# Altium PCB STM32F407.PcbDoc (part 1 of 2)
Units mil, origin at the board's own origin, x right, y up, seen from the top; angles counter-clockwise.
Board outline 2250.81 x 1738.31 mil, 4 copper layers (Top Layer, GND, POWER, Bottom Layer), stack 24.98 mil thick; 49 components, 104 nets, 323 pads, 74 vias.
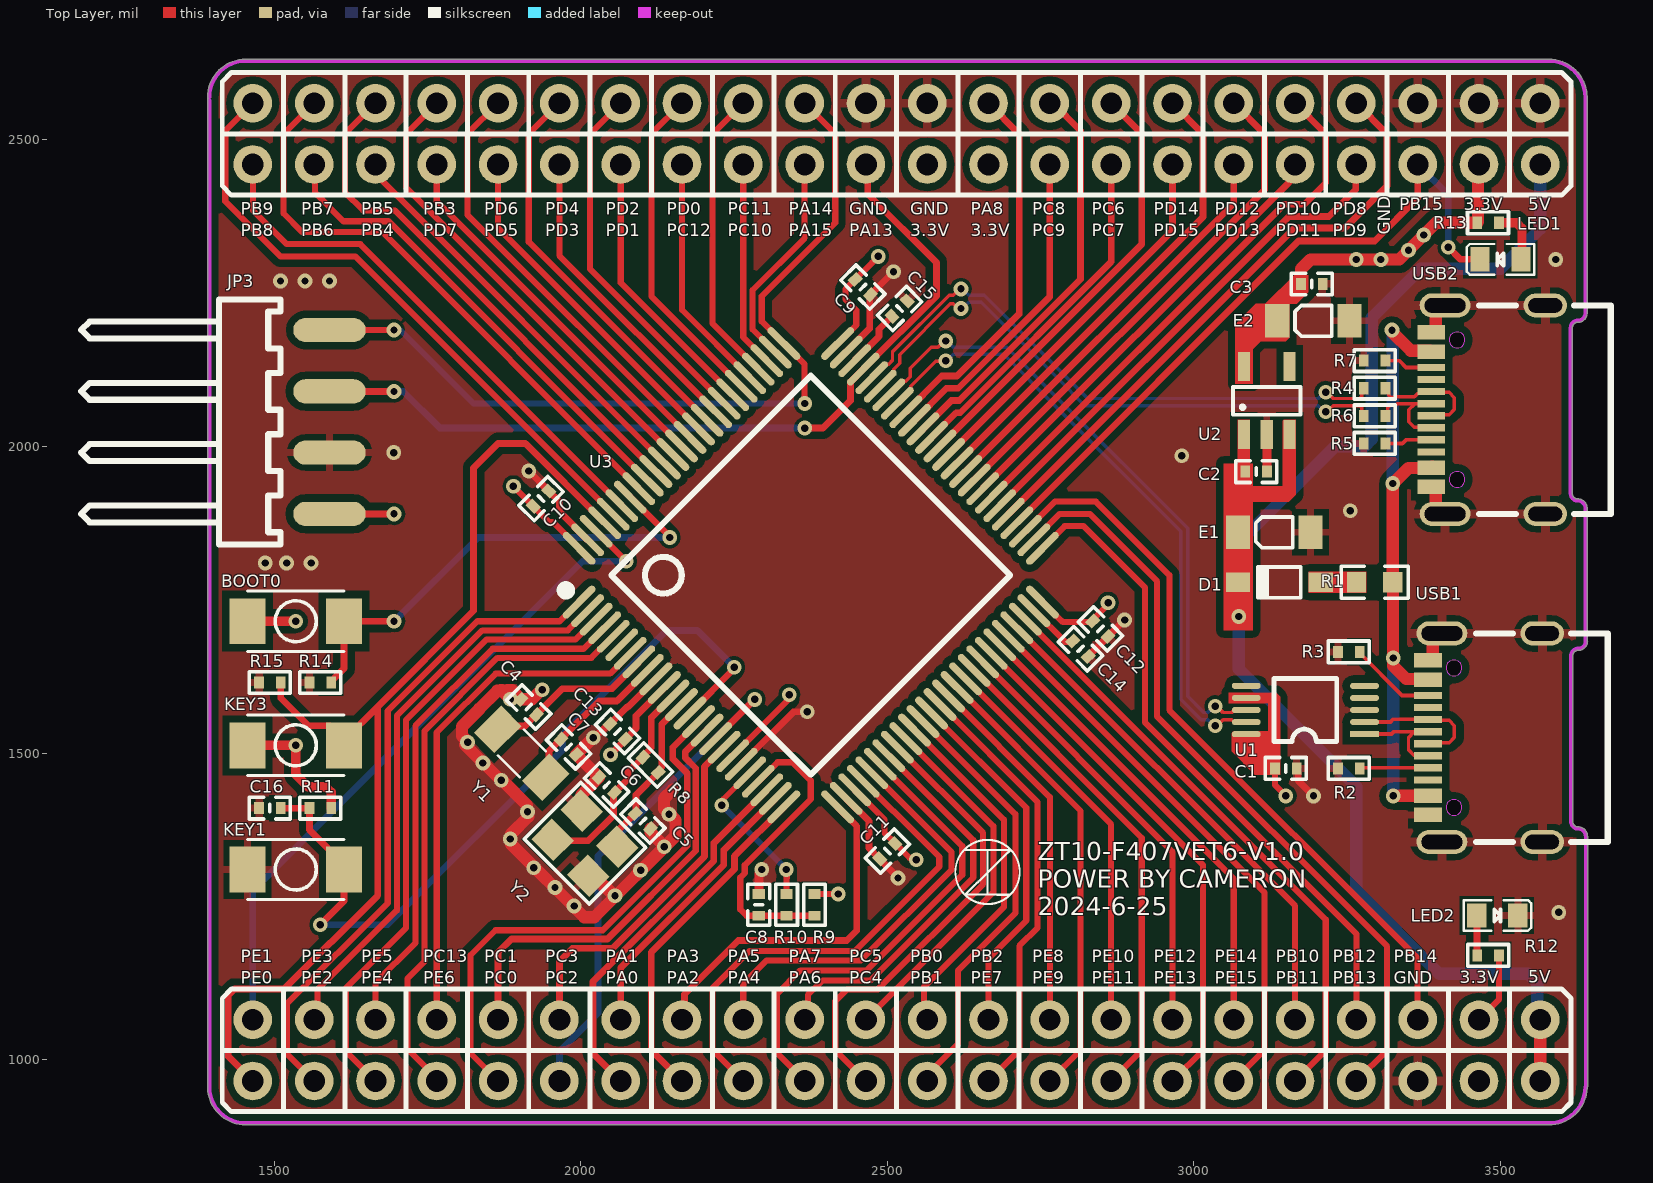
[diagram p0: Top Layer view]
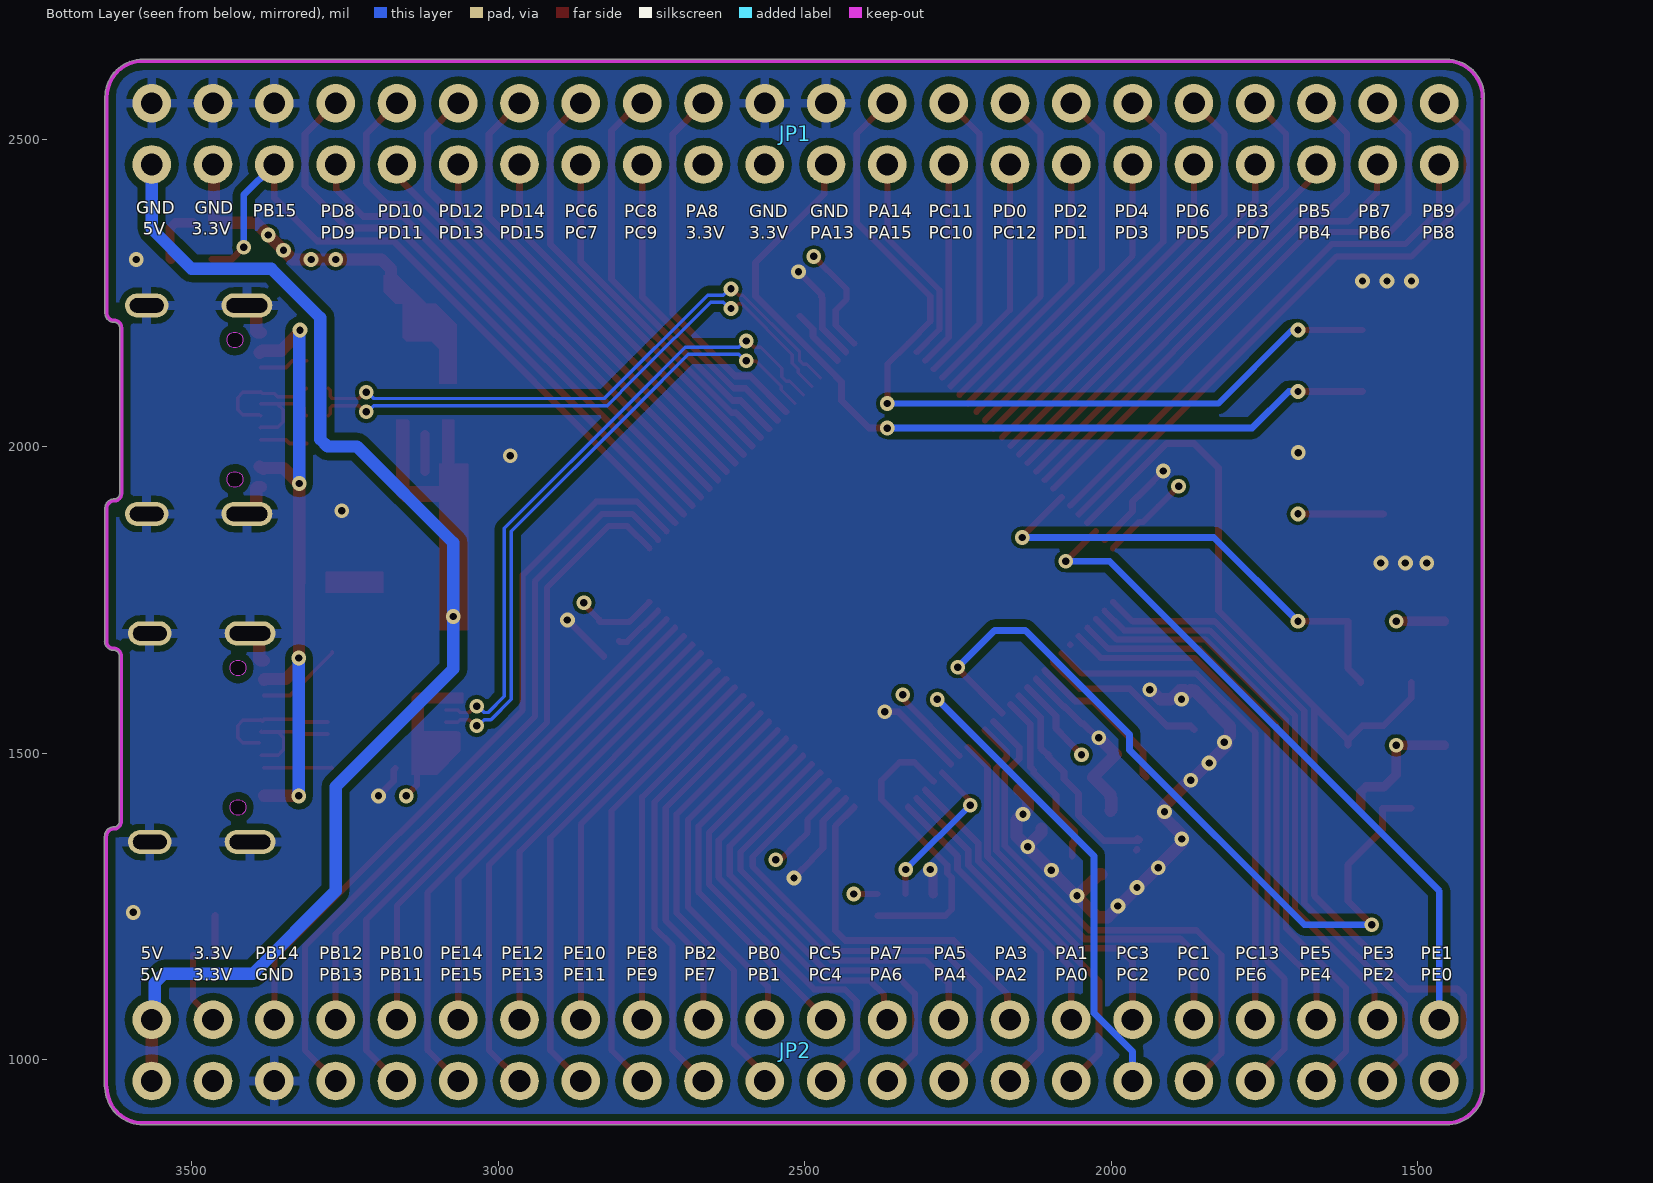
[diagram p1: Bottom Layer view, seen from below]
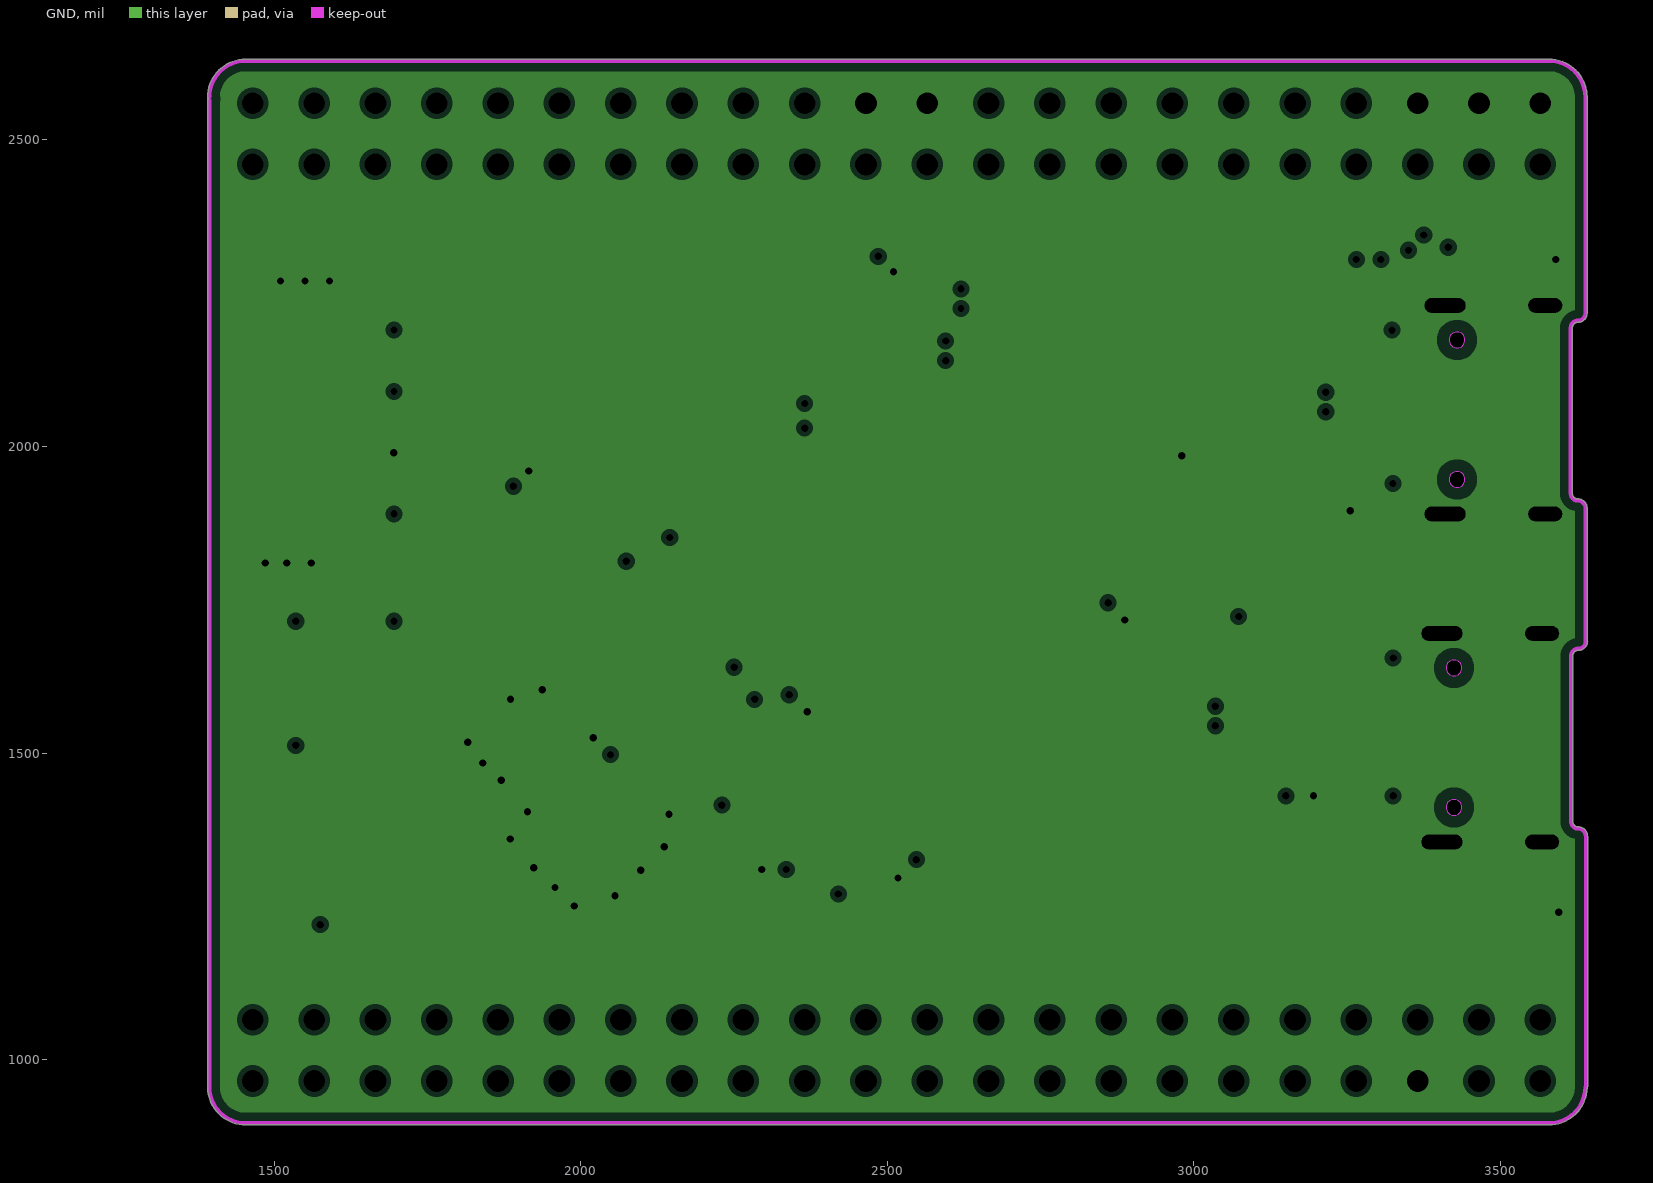
[diagram p2: GND, clearances drawn from the general rule]
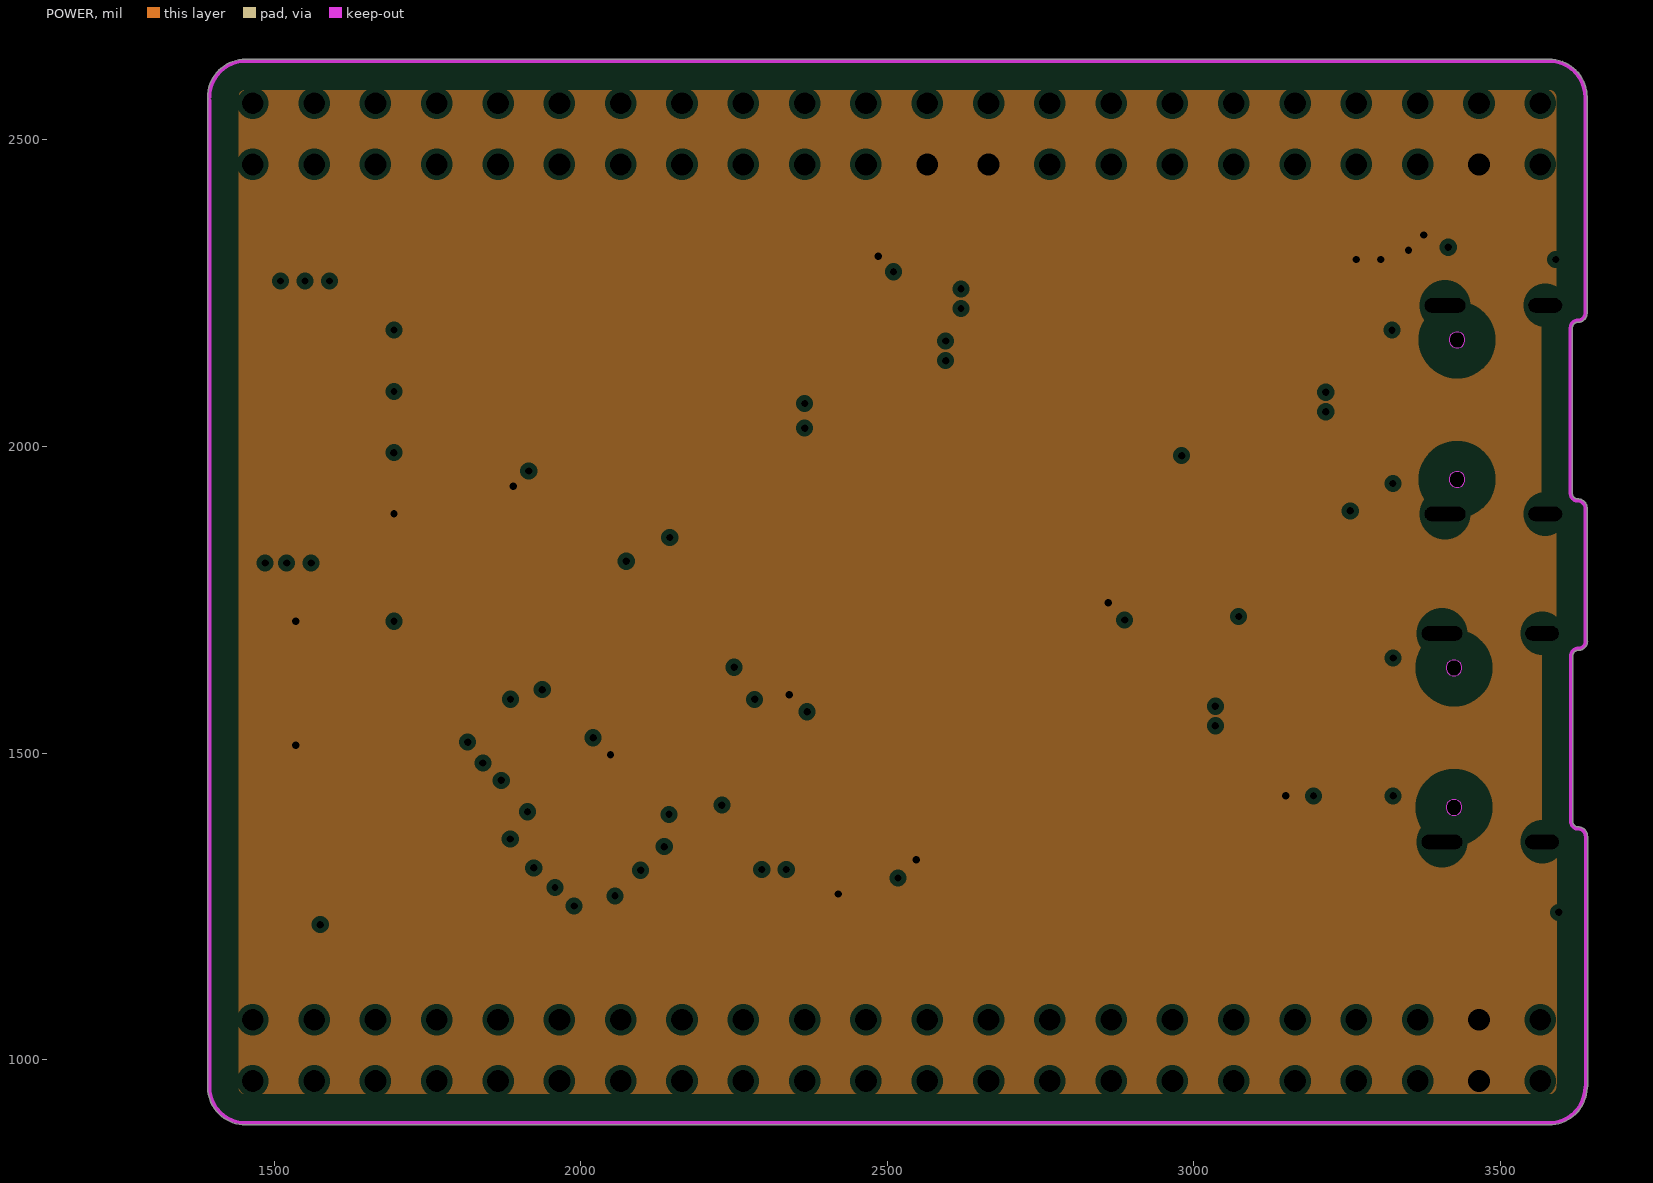
[diagram p3: POWER, clearances drawn from the general rule]

## Layer stack, top to bottom
Top Solder: solder mask 0.4, Solder Resist, Dk 3.5
Top Layer: signal copper 1.38
Dielectric 2: prepreg 3.91, PP-015, Dk 4.3
GND: plane copper 0.6, net GND
Dielectric 1: prepreg 4.4, PP-015, Dk 4.3
Dielectric 4: prepreg 4.4, PP-015, Dk 4.3
Dielectric 5: prepreg 4.4, PP-015, Dk 4.3
POWER: plane copper 0.6, net 3V3
Dielectric 3: prepreg 3.91, PP-015, Dk 4.3
Bottom Layer: signal copper 1.38
Bottom Solder: solder mask 0.4, Solder Resist, Dk 3.5

## Board outline
1391.53,949.08 ccw(c1453.28,955.45) 1453.28,893.38 3579.26,893.38 ccw(c3579.26,955.45) 3641.3,953.5 ccw(c3639,955.45) 3642.01,955.45 3642.01,1364.34 ccw(c3627,1364.34) 3627,1379.35 cw(c3627,1388.34) 3618.01,1388.34 3618.01,1658.49 cw(c3627,1658.49) 3627,1667.48 ccw(c3627,1682.49) 3642.01,1682.49 ccw(c3639,1682.49) 3641.33,1684.41 3641.33,1899.38 ccw(c3626.32,1899.38) 3626.32,1914.39 cw(c3626.32,1923.38) 3617.33,1923.38 3617.33,2193.53 cw(c3626.32,2193.53) 3626.32,2202.52 ccw(c3626.32,2217.53) 3641.33,2217.53 3641.33,2569.62 ccw(c3579.26,2569.62) 3579.26,2631.69 1453.28,2631.69 ccw(c1453.28,2628.68) 1453.25,2631.69 cw(c1453.28,2569.62) 1453.28,2631.69 1453.25,2631.69 ccw(c1453.28,2569.62) 1391.21,2569.62 ccw(c1394.22,2569.62) 1392.54,2567.12 ccw(c1394.22,2564.62) 1391.21,2564.62 1391.21,950.45 ccw(c1394.22,950.45)

## Design rules (kind name [scope] priority, off if disabled: settings)
Clearance [All] p1: gap=6 ignorepadtopadclearanceinfootprint=TRUE except(12: Arc-Fill Arc-Poly Arc-Region Track-Fill Track-Poly Track-Region SMDPad-Fill SMDPad-Poly SMDPad-Region THPad-Fill THPad-Poly THPad-Region Fill-Fill Fill-Poly Fill-Region Poly-Poly Poly-Region Region-Region)
ComponentClearance [All] p1: gap=0 collisioncheckmode=3 verticalgap=0 showdistances=FALSE
DiffPairsRouting DiffPair_DiffPairsRouting [InDifferentialPair ('NewDifferentialPair2')] p1: maxlimit=6 minlimit=6 mostfreqgap=6 toplayer_minwidth=5.59 toplayer_maxwidth=5.59 toplayer_prefwidth=5.59 bottomlayer_minwidth=5.59 bottomlayer_maxwidth=5.59 bottomlayer_prefwidth=5.59 maxuncoupledlength=500
DiffPairsRouting DiffPair_DiffPairsRouting_1 [InDifferentialPair ('NewDifferentialPair1')] p2: maxlimit=6 minlimit=6 mostfreqgap=6 toplayer_minwidth=5.59 toplayer_maxwidth=5.59 toplayer_prefwidth=5.59 bottomlayer_minwidth=5.59 bottomlayer_maxwidth=5.59 bottomlayer_prefwidth=5.59 maxuncoupledlength=500
DiffPairsRouting DiffPairsRouting_1 [InDifferentialPair ('NewDifferentialPair1')] p3: maxlimit=10 minlimit=10 mostfreqgap=10 toplayer_minwidth=15 toplayer_maxwidth=15 toplayer_prefwidth=15 bottomlayer_minwidth=15 bottomlayer_maxwidth=15 bottomlayer_prefwidth=15 maxuncoupledlength=500
DiffPairsRouting DiffPair_DiffPairsRouting_2 [All] p4: maxlimit=10 minlimit=10 mostfreqgap=10 toplayer_minwidth=15 toplayer_maxwidth=15 toplayer_prefwidth=15 bottomlayer_minwidth=15 bottomlayer_maxwidth=15 bottomlayer_prefwidth=15 maxuncoupledlength=500
DiffPairsRouting DiffPair_DiffPairsRouting_3 [InDifferentialPair ('NewDifferentialPair1')] p5: maxlimit=6 minlimit=6 mostfreqgap=6 toplayer_minwidth=5.59 toplayer_maxwidth=5.59 toplayer_prefwidth=5.59 bottomlayer_minwidth=5.59 bottomlayer_maxwidth=5.59 bottomlayer_prefwidth=5.59 maxuncoupledlength=500
DiffPairsRouting DiffPair_DiffPairsRouting_4 [InDifferentialPair ('NewDifferentialPair1')] p6: maxlimit=10 minlimit=10 mostfreqgap=10 toplayer_minwidth=15 toplayer_maxwidth=15 toplayer_prefwidth=15 bottomlayer_minwidth=15 bottomlayer_maxwidth=15 bottomlayer_prefwidth=15 maxuncoupledlength=500
DiffPairsRouting DiffPair_DiffPairsRouting_5 [InDifferentialPair ('NewDifferentialPair1')] p7: maxlimit=6 minlimit=6 mostfreqgap=6 toplayer_minwidth=5.59 toplayer_maxwidth=5.59 toplayer_prefwidth=5.59 bottomlayer_minwidth=5.59 bottomlayer_maxwidth=5.59 bottomlayer_prefwidth=5.59 maxuncoupledlength=500
DiffPairsRouting DiffPair_DiffPairsRouting_6 [All] p8: maxlimit=10 minlimit=6 mostfreqgap=6 toplayer_minwidth=5.59 toplayer_maxwidth=15 toplayer_prefwidth=5.59 bottomlayer_minwidth=5.59 bottomlayer_maxwidth=15 bottomlayer_prefwidth=5.59 maxuncoupledlength=500
DiffPairsRouting DiffPair_DiffPairsRouting_7 [InDifferentialPair ('NewDifferentialPair1')] p9: maxlimit=10 minlimit=6 mostfreqgap=6 toplayer_minwidth=5.59 toplayer_maxwidth=15 toplayer_prefwidth=5.59 bottomlayer_minwidth=5.59 bottomlayer_maxwidth=15 bottomlayer_prefwidth=5.59 maxuncoupledlength=500
DiffPairsRouting DiffPair_DiffPairsRouting_8 [InDifferentialPair ('USART_IN2')] p10: maxlimit=6 minlimit=6 mostfreqgap=6 toplayer_minwidth=5.59 toplayer_maxwidth=5.59 toplayer_prefwidth=5.59 bottomlayer_minwidth=5.59 bottomlayer_maxwidth=5.59 bottomlayer_prefwidth=5.59 maxuncoupledlength=500
DiffPairsRouting DiffPair_DiffPairsRouting_9 [InDifferentialPair ('usart_out1') Or InDifferentialPair ('usart2') Or InDifferentialPair ('usart_out2') Or InDifferentialPair ('usart1')] p11: maxlimit=6 minlimit=6 mostfreqgap=6 toplayer_minwidth=5.59 toplayer_maxwidth=5.59 toplayer_prefwidth=5.59 bottomlayer_minwidth=5.59 bottomlayer_maxwidth=5.59 bottomlayer_prefwidth=5.59 maxuncoupledlength=500
DiffPairsRouting [All] p12: maxlimit=10 minlimit=10 mostfreqgap=10 toplayer_minwidth=15 toplayer_maxwidth=15 toplayer_prefwidth=15 bottomlayer_minwidth=15 bottomlayer_maxwidth=15 bottomlayer_prefwidth=15 maxuncoupledlength=500
MatchedLengths DiffPair_MatchedLengths [InDifferentialPair ('NewDifferentialPair2')] p1: tolerance=1000 checknetsindiffpair=FALSE checkdiffpairvsdiffpair=TRUE checkxsignals=TRUE checkothers=TRUE
MatchedLengths DiffPair_MatchedLengths_1 [InDifferentialPair ('NewDifferentialPair1')] p2: tolerance=1000 checknetsindiffpair=FALSE checkdiffpairvsdiffpair=TRUE checkxsignals=TRUE checkothers=TRUE
MatchedLengths [InDifferentialPair ('NewDifferentialPair1')] p3: tolerance=1000 checknetsindiffpair=FALSE checkdiffpairvsdiffpair=TRUE checkxsignals=TRUE checkothers=TRUE
MatchedLengths DiffPair_MatchedLengths_2 [All] p4: tolerance=1000 checknetsindiffpair=FALSE checkdiffpairvsdiffpair=TRUE checkxsignals=TRUE checkothers=TRUE
MatchedLengths DiffPair_MatchedLengths_3 [InDifferentialPair ('NewDifferentialPair1')] p5: tolerance=1000 checknetsindiffpair=FALSE checkdiffpairvsdiffpair=TRUE checkxsignals=TRUE checkothers=TRUE
MatchedLengths DiffPair_MatchedLengths_4 [InDifferentialPair ('NewDifferentialPair1')] p6: tolerance=1000 checknetsindiffpair=FALSE checkdiffpairvsdiffpair=TRUE checkxsignals=TRUE checkothers=TRUE
MatchedLengths DiffPair_MatchedLengths_5 [InDifferentialPair ('NewDifferentialPair1')] p7: tolerance=1000 checknetsindiffpair=FALSE checkdiffpairvsdiffpair=TRUE checkxsignals=TRUE checkothers=TRUE
MatchedLengths DiffPair_MatchedLengths_6 [All] p8: tolerance=1000 checknetsindiffpair=FALSE checkdiffpairvsdiffpair=TRUE checkxsignals=TRUE checkothers=TRUE
MatchedLengths DiffPair_MatchedLengths_7 [InDifferentialPair ('NewDifferentialPair1')] p9: tolerance=1000 checknetsindiffpair=FALSE checkdiffpairvsdiffpair=TRUE checkxsignals=TRUE checkothers=TRUE
MatchedLengths DiffPair_MatchedLengths_8 [InDifferentialPair ('USART_IN2')] p10: tolerance=1000 checknetsindiffpair=FALSE checkdiffpairvsdiffpair=TRUE checkxsignals=TRUE checkothers=TRUE
MatchedLengths DiffPair_MatchedLengths_9 [InDifferentialPair ('USART1_IN')] p11: tolerance=1000 checknetsindiffpair=FALSE checkdiffpairvsdiffpair=TRUE checkxsignals=TRUE checkothers=TRUE
MatchedLengths DiffPair_MatchedLengths_10 [InDifferentialPair ('NewDifferentialPair1')] p12: tolerance=1000 checknetsindiffpair=FALSE checkdiffpairvsdiffpair=TRUE checkxsignals=TRUE checkothers=TRUE
MatchedLengths DiffPair_MatchedLengths_11 [InDifferentialPair ('USART1_IN')] p13: tolerance=1000 checknetsindiffpair=FALSE checkdiffpairvsdiffpair=TRUE checkxsignals=TRUE checkothers=TRUE
MatchedLengths DiffPair_MatchedLengths_12 [InDifferentialPair ('USART_IN2')] p14: tolerance=1000 checknetsindiffpair=FALSE checkdiffpairvsdiffpair=TRUE checkxsignals=TRUE checkothers=TRUE
MatchedLengths DiffPair_MatchedLengths_13 [InDifferentialPair ('usart_out1') Or InDifferentialPair ('usart2') Or InDifferentialPair ('usart_out2') Or InDifferentialPair ('usart1')] p15: tolerance=1000 checknetsindiffpair=FALSE checkdiffpairvsdiffpair=TRUE checkxsignals=TRUE checkothers=TRUE
PlaneClearance [All] p1: clearance=8
PlaneConnect [All] p1: pad.planeconnectstyle=Relief pad.reliefexpansion=12 pad.reliefentries=4 pad.reliefconductorwidth=10 pad.reliefairgap=8 via.planeconnectstyle=Direct via.reliefexpansion=20 via.reliefentries=4 via.reliefconductorwidth=10 via.reliefairgap=10
PolygonConnect [All] p1: thpad.connectstyle=Relief thpad.reliefconductorwidth=15 thpad.reliefentries=4 thpad.polygonreliefangle="90 Angle" thpad.airgapwidth=10 smdpad.connectstyle=Relief smdpad.reliefconductorwidth=12 smdpad.reliefentries=4 smdpad.polygonreliefangle="90 Angle" smdpad.airgapwidth=10 via.connectstyle=Direct via.reliefconductorwidth=10 via.reliefentries=4 via.polygonreliefangle="90 Angle" via.airgapwidth=10
RoutingVias [All] p1: holewidth=12 width=24 viastyle="Through Hole" minholewidth=12 minwidth=24 maxholewidth=12 maxwidth=24
SilkToSilkClearance [All] p1: silktosilkclearance=0
SilkToSolderMaskClearance [IsPad] p1: minsilkscreentomaskgap=0 clearancetoexposedcopper=TRUE
SolderMaskExpansion [All] p1: expansion=4 istentingtop=FALSE
UnRoutedNet [All] p1: checkbadconnections=TRUE
Width Width_Power [InNetClass('Power_Class')] p1: maxlimit=100 minlimit=12 preferedwidth=12
Width [All] p2: maxlimit=200 minlimit=6.16 preferedwidth=6.16
23 further rules are at their usual default settings.

## Classes and differential pairs
component class U_03_Peripheral: BOOT0 C16 JP3 KEY1 KEY3 LED1 LED2 R11 R12 R13 R14 R15
component class U_02_CPU+Connect: C4 C5 C6 C7 C8 C9 C10 C11 C12 C13 C14 C15 JP1 JP2 R8 R9 R10 U3 Y1 Y2
component class U_01_Power: C1 C2 C3 D1 E1 E2 R1 R2 R3 R4 R5 R6 R7 U1 U2 USB1 USB2

## Components (designator, comment, footprint, x,y, rotation, side; value= is the part's Value field where it differs from the comment)
BOOT0 "KEY" SWT3*4 1535,1715 r180 top (schematic designator KEY2)
C1 "0.1uF" "C 0402_L" 3150,1475 r180 top
C2 "0.1uF" "C 0402_L" 3101.51,1958.88 r180 top
C3 "0.1uF" "C 0402_L" 3192.28,2265 r180 top
C4 "10pF" "C 0402_L" 1915,1575 r315 top
C5 "20pF" "C 0402_L" 2101.14,1388.87 r135 top
C6 "20pF" "C 0402_L" 2042.17,1447.84 r315 top
C7 "10pF" "C 0402_L" 1980,1510 r135 top
C8 "0.1uF" "C 0402_L" 2290.16,1252.28 r270 top
C9 "0.1uF" "C 0402_L" 2460,2260 r315 top
C10 "0.1uF" "C 0402_L" 1935,1915 r45 top
C11 "0.1uF" "C 0402_L" 2500,1340 r225 top
C12 "0.1uF" "C 0402_L" 2847.48,1702.53 r315 top
C13 "0.1uF" "C 0402_L" 2060,1535 r135 top
C14 "2.2uF" "C 0402_L" 2815,1670 r135 top
C15 "2.2uF" "C 0402_L" 2520,2225 r225 top
C16 "0.1uF" "C 0402_L" 1492.72,1410 r0 top
D1 "1N4007" SOD-123 3139.49,1778.46 r180 top
E1 "10uF" "CD A(3216)" 3131.04,1860 r0 top
E2 "10uF" "CD A(3216)" 3195,2205 r0 top
JP1 "Header 2x22" HDR2.54-LI-2x22P 2515,2510 r180 bottom
JP2 "Header 2x22" HDR2.54-LI-2x22P 2515,1015 r180 bottom
JP3 "SWD" HDR2.54-WS-4P 1590,2040 r90 top
KEY1 "KEY" SWT3*4 1535,1310 r180 top
KEY3 "KEY" SWT3*4 1535,1512.5 r180 top
LED1 "LED" "LED 0603" 3500,2305.31 r180 top
LED2 "LED" "LED 0603" 3495,1235 r0 top
R1 "NTCG163JF103FT1S" R0603 3294.84,1778.46 r0 top
R2 "1K" "R 0402_L" 3252.68,1475.01 r0 top
R3 "1K" "R 0402_L" 3252.68,1665 r0 top
R4 "0R" "R 0402_L" 3294.84,2095 r180 top
R5 "1K" "R 0402_L" 3294.84,2005 r0 top
R6 "0R" "R 0402_L" 3294.84,2050 r180 top
R7 "1K" "R 0402_L" 3294.84,2140 r0 top
R8 "1M" "R 0402_L" 2113.67,1480.52 r315 top
R9 "0R" "R 0402_L" 2381.13,1252.28 r90 top
R10 "0R" "R 0402_L" 2335.64,1252.28 r90 top
R11 "10K" "R 0402_L" 1575,1410 r180 top
R12 "4.7K" "R 0402_L" 3480,1170 r180 top
R13 "4.7K" "R 0402_L" 3479.82,2364.94 r0 top
R14 "10K" "R 0402_L" 1575,1615 r0 top
R15 "10K" "R 0402_L" 1492.72,1615 r0 top
U1 "CH340E" MSOP10_L 3181.84,1570.16 r90 top
U2 "RT9013-33" SOT23-5N 3118.78,2075 r0 top
U3 "STM32F407VET6" "LQFP100 14x14_N" 2375,1790 r315 top
USB1 "TYPE-C 16P(073)" USB-C-SMD_TYPE-C16PIN_C668624 3475,1525 r90 top
USB2 "TYPE-C 16P(073)" USB-C-SMD_TYPE-C16PIN_C668624 3480,2060 r90 top
Y1 "32.768KHz" FC135-3.2X1.5 1903.58,1499.45 r315 top
Y2 "8M" "OSC 3225-4P" 2006.78,1352.75 r315 top

## Footprints (in the part's own frame and the unit in brackets; to place one, negate y for a bottom-side part, rotate by r counter-clockwise, add the part's x,y. Pads: shape width x height; smd on the part's side, far side on the other; paste and mask are expansions set on the pad)
"C 0402_L" [mm] "无极性贴片电容"
  rect 0.4x0.5 smd: 1(-0.45,0) 2(0.45,0)
  silkscreen extent -0.85,-0.45 0.85,0.45, body extent -0.5,-0.26 0.5,0.26, height 0.53
"CD A(3216)" [mm] "长3.2mm，宽1.6mm，厚1.6mm"
  rect 1x1.4 smd: 1(-1.5,0) 2(1.5,0)
  silkscreen extent -0.76,-0.64 0.76,0.64, body extent -1.6,-0.8 1.6,0.8, height 1.6
FC135-3.2X1.5 [mm] "晶振"
  rect 1.2x1.6 smd: 1(-1.4,0) 2(1.4,0)
  silkscreen extent -0.64,-0.76 0.64,0.76, body extent -1.61,-0.76 1.61,0.76, height 0.91
HDR2.54-LI-2x22P [mm] "双排排针，20x2脚"
  round 1.6 hole 0.9: 1(-26.67,-1.27) 2(-26.67,1.27) 3(-24.13,-1.27) 4(-24.13,1.27) 5(-21.59,-1.27) 6(-21.59,1.27) 7(-19.05,-1.27) 8(-19.05,1.27) 9(-16.51,-1.27) 10(-16.51,1.27) 11(-13.97,-1.27) 12(-13.97,1.27) 13(-11.43,-1.27) 14(-11.43,1.27) 15(-8.89,-1.27) 16(-8.89,1.27) 17(-6.35,-1.27) 18(-6.35,1.27) 19(-3.81,-1.27) 20(-3.81,1.27) 21(-1.27,-1.27) 22(-1.27,1.27) 23(1.27,-1.27) 24(1.27,1.27) 25(3.81,-1.27) 26(3.81,1.27) 27(6.35,-1.27) 28(6.35,1.27) 29(8.89,-1.27) 30(8.89,1.27) 31(11.43,-1.27) 32(11.43,1.27) 33(13.97,-1.27) 34(13.97,1.27) 35(16.51,-1.27) 36(16.51,1.27) 37(19.05,-1.27) 38(19.05,1.27) 39(21.59,-1.27) 40(21.59,1.27) 41(24.13,-1.27) 42(24.13,1.27) 43(26.67,-1.27) 44(26.67,1.27)
  body extent -27.94,-2.54 27.94,2.54, height 8.5
HDR2.54-WS-4P [mm] "4P卧式贴片排针2.54"
  oval 1x3 smd: 1(-3.81,0) 2(-1.27,0) 3(1.27,0) 4(3.81,0)
  silkscreen extent -5.08,2.03 5.08,10.29, body extent -5.08,-0.76 5.08,10.34, height 2.54
"LED 0603" [mm] "贴片带丝印"
  rect 0.8x1 smd: 1(-0.85,0) 2(0.85,0)
  silkscreen extent -1.4,-0.64 1.4,0.64, body extent -0.8,-0.4 0.8,0.4, height 0.61
"LQFP100 14x14_N" [mm] "100脚，体宽14x14mm，脚距0.5mm"
  oval 0.3x1.8 smd: 1(-6,-7.575) 2(-5.5,-7.575) 3(-5,-7.575) 4(-4.5,-7.575) 5(-4,-7.575) 6(-3.5,-7.575) 7(-3,-7.575) 8(-2.5,-7.575) 9(-2,-7.575) 10(-1.5,-7.575) 11(-1,-7.575) 12(-0.5,-7.575) 13(0,-7.575) 14(0.5,-7.575) 15(1,-7.575) 16(1.5,-7.575) 17(2,-7.575) 18(2.5,-7.575) 19(3,-7.575) 20(3.5,-7.575) 21(4,-7.575) 22(4.5,-7.575) 23(5,-7.575) 24(5.5,-7.575) 25(6,-7.575) 51(6,7.575) 52(5.5,7.575) 53(5,7.575) 54(4.5,7.575) 55(4,7.575) 56(3.5,7.575) 57(3,7.575) 58(2.5,7.575) 59(2,7.575) 60(1.5,7.575) 61(1,7.575) 62(0.5,7.575) 63(0,7.575) 64(-0.5,7.575) 65(-1,7.575) 66(-1.5,7.575) 67(-2,7.575) 68(-2.5,7.575) 69(-3,7.575) 70(-3.5,7.575) 71(-4,7.575) 72(-4.5,7.575) 73(-5,7.575) 74(-5.5,7.575) 75(-6,7.575)
  oval 1.8x0.3 smd: 26(7.576,-6) 27(7.576,-5.5) 28(7.576,-5) 29(7.576,-4.5) 30(7.576,-4) 31(7.576,-3.5) 32(7.576,-3) 33(7.576,-2.5) 34(7.576,-2) 35(7.576,-1.5) 36(7.576,-1) 37(7.576,-0.5) 38(7.576,0) 39(7.576,0.5) 40(7.576,1) 41(7.576,1.5) 42(7.576,2) 43(7.576,2.5) 44(7.576,3) 45(7.576,3.5) 46(7.576,4) 47(7.576,4.5) 48(7.576,5) 49(7.576,5.5) 50(7.576,6) 76(-7.575,6) 77(-7.575,5.5) 78(-7.575,5) 79(-7.575,4.5) 80(-7.575,4) 81(-7.575,3.5) 82(-7.575,3) 83(-7.575,2.5) 84(-7.575,2) 85(-7.575,1.5) 86(-7.575,1) 87(-7.575,0.5) 88(-7.575,0) 89(-7.575,-0.5) 90(-7.575,-1) 91(-7.575,-1.5) 92(-7.575,-2) 93(-7.575,-2.5) 94(-7.575,-3) 95(-7.575,-3.5) 96(-7.575,-4) 97(-7.575,-4.5) 98(-7.575,-5) 99(-7.575,-5.5) 100(-7.575,-6)
  silkscreen extent -6.92,-7.81 5.84,5.84, body extent -8,-8 8,8, height 1.45
MSOP10_L [mm] "塑封体长3mm，宽3mm，脚距0.5"
  rect 0.25x1.2 smd: 1(-1,-2.45)
  oval 0.25x1.2 smd: 2(-0.5,-2.45) 3(0,-2.45) 4(0.5,-2.45) 5(1,-2.45) 6(1,2.45) 7(0.5,2.45) 8(0,2.45) 9(-0.5,2.45) 10(-1,2.45)
  silkscreen extent -1.3,-1.3 1.3,1.3, body extent -1.5,-2.45 1.5,2.45, height 0.95
"OSC 3225-4P" [mm] "3.2*2.5*0.7mm(长宽高)"
  rect 1.3x1.2 smd: 1(-1.05,-0.85) 2(1.05,-0.85) 3(1.05,0.85) 4(-1.05,0.85)
  silkscreen extent -1.9,-1.65 1.9,1.65, body extent -1.6,-1.25 1.6,1.25, height 0.7
R0603 [mil]
  rect 31.75x34.02 smd paste-3937.01 mask+2: 1(-29.66,0) 2(29.66,0)
  silkscreen extent -55,-26 55,26
"R 0402_L" [mm] "1/16W贴片电阻"
  rect 0.4x0.5 smd: 1(-0.45,0) 2(0.45,0)
  silkscreen extent -0.85,-0.45 0.85,0.45, body extent -0.5,-0.25 0.5,0.25, height 0.3
SOD-123 [mm] "2.7x1.6X1.1mm（长宽高，不包括引脚）"
  rect 1x0.8 smd: 1(-1.714,0) 2(1.714,0)
  silkscreen extent -0.89,-0.64 0.89,0.64, body extent -1.85,-0.8 1.85,0.8, height 1.22
SOT23-5N [mm] "3x1.6x1.1mm(长宽高)"
  rect 0.5x1.2 smd: 1(-0.95,-1.4) 2(0,-1.4) 3(0.95,-1.4) 4(0.95,1.4) 5(-0.95,1.4)
  silkscreen extent -1.4,-0.58 1.4,0.56, body extent -1.45,-1.4 1.45,1.4, height 1.2
SWT3*4 [mm]
  rect 1.48x1.9 smd: 1(-2,0) 2(2,0)
  silkscreen extent -2,-1.25 2,1.25, body extent -2.45,-1.45 2.45,1.45, height 2
USB-C-SMD_TYPE-C16PIN_C668624 [mm]
  oval 1x2.1 hole 0.6 slot 1.7 at 90 deg paste-2539.97 mask+0.051: 1(-4.32,1.787) 2(4.32,1.787)
  oval 1x1.8 hole 0.6 slot 1.4 at 90 deg paste-2539.97 mask+0.051: 3(-4.32,-2.362) 4(4.32,-2.362)
  rect 0.6x1.15 smd paste-100 mask+0.051: A1B12(-3.2,2.362) A4B9(-2.4,2.362) B1A12(3.2,2.362) B4A9(2.4,2.362)
  rect 0.3x1.15 smd paste-100 mask+0.051: A5(-1.25,2.362) A6(-0.25,2.362) A7(0.25,2.362) A8(1.25,2.362) B5(1.75,2.362) B6(0.75,2.362) B7(-0.75,2.362) B8(-1.75,2.362)
  Keep-Out Layer board cut-out: -3.215,1.288 -3.215,1.223 -3.166,1.103 -3.074,1.012 -2.955,0.963 -2.825,0.963 -2.706,1.012 -2.614,1.103 -2.565,1.223 -2.565,1.288 -2.565,1.352 -2.614,1.472 -2.706,1.563 -2.825,1.613 -2.955,1.613 -3.074,1.563 -3.166,1.472 -3.215,1.352 -3.215,1.288 -3.215,1.288
  Keep-Out Layer board cut-out: 2.565,1.288 2.565,1.223 2.614,1.103 2.706,1.012 2.825,0.963 2.955,0.963 3.074,1.012 3.166,1.103 3.215,1.223 3.215,1.288 3.215,1.352 3.166,1.472 3.074,1.563 2.955,1.613 2.825,1.613 2.706,1.563 2.614,1.472 2.565,1.352 2.565,1.288 2.565,1.288
  silkscreen extent -4.32,-5.08 4.32,0.38

## Part data
C1 C2 C3 C4 C5 C6 C7 C8 C9 C10 C11 C12 C13 C14 C15 C16: library part Cap
D1: "整流二极管", BOM名称=整流二极管
E1 E2: library part C-CD, "贴片钽电容", BOM名称=贴片钽电容
JP1 JP2: "2x22P接插件", BOM名称=20*2P接插件
JP3: library part "Header 1*4", LatestRevisionDate=17-Jul-2002, LatestRevisionNote="Re-released for DXP Platform.", Publisher="Altium Limited"
R1: "阻值(25℃):10kΩ;电阻精度:±1%;B值精度:±1%;B值(25℃/50℃):3380K;功率:100mW;最大稳态电流(25℃):310uA;B值(25℃/75℃):3422K;B值(25℃/85℃):3435K;B值(25℃/100℃):3453K;工作温度:-40℃~+150℃;", B Constant Tolerance=±1%, JLCPCB Part Class=扩展库, LCSC Part Name="10kΩ 电阻精度:±1% 3380K", Manufacturer=TDK, Operating Temperature=-40℃~+150℃, Power=100mW, Resistance @ 25℃=10kΩ, Steady State Current (Max)=310uA, Add into BOM=yes, B Constant (25℃/50℃)=3380K, B Constant (25℃/75℃)=3422K, B Constant (25℃/85℃)=3435K, B Constant (25℃/100℃)=3453K, Convert to PCB=yes, Datasheet=https://atta.szlcsc.com/upload/public/pdf/source/20190723/C406719_56E4CA7886271F3E26D47484E1680181.pdf, Device=NTCG163JF103FT1S, Manufacturer Part=NTCG163JF103FT1S, Name=NTCG163JF103FT1S, Resistance Tolerance=±1%, Supplier=LCSC, Supplier Footprint=0603, Supplier Part=C406719, Symbol=NTCG163JF103FT1S
R2 R3 R4 R5 R6 R7 R8 R9 R10 R11 R12 R13 R14 R15: library part Res
U3: BOM_Manufacturer=ST, BOM_Manufacturer Part=STM32F407VET6, BOM_Supplier=LCSC, BOM_Supplier Part=C28730, image=http://image.lceda.cn/szlcsc/C28730.jpg, spicePre=U, spiceSymbolName=STM32F407VET6, subpart_no=1, tags=STM32
USB1 USB2: "连接器类型:Type-C;标准:-;公母:母座;触点数量:16;端口数量:1;安装方式:卧贴;额定电流 - 电源:5A;工作温度范围:-25℃~+85℃;", Current Rating - Power (Max)=5A, JLCPCB Part Class=扩展库, LCSC Part Name="TYPE-C母座 16P 4脚插件带定位柱 不锈钢外壳 3次模顶", Manufacturer="SHOU HAN(首韩)", Operating Temperature Range=-25℃~+85℃, Add into BOM=yes, Connector Type=Type-C, Convert to PCB=yes, Datasheet=https://atta.szlcsc.com/upload/public/pdf/source/20200618/C668624_CC51EC37614090AAD56C1421DE954C80.pdf, Device="TYPE-C 16P(073)", Gender=母座, Manufacturer Part="TYPE-C 16P(073)", Mounting Sytle=卧贴, Name="TYPE-C 16P(073)", NO_CONNECT=yes, Number of Contacts=16, Number of Ports=1, Standard=-, Supplier=LCSC, Supplier Footprint=SMD, Supplier Part=C668624, Symbol="TYPE-C 16P(073)"
Y1: library part XTAL-2P, vaule=32.768KHz
Y2: library part XTAL-4P, "4脚无源晶振", BOM名称=4脚无源晶振, 负载电容=CL20pF

## Via types
v1: diameter 24, hole 12, Top Layer to Bottom Layer, tented top, 74 vias

## Nets (pads, with @x,y where several pads share a name; then routed paths per layer and width w, separated by ;. In a path a pad name is that pad's centre, name@x,y a point inside that pad or via, vN(x,y) a via of type N, cw(c..) or ccw(c..) an arc to the next point about the centre after c; other vN are vias at no path point)
3V3: BOOT0.2 C1.2 C3.2 C9.1 C10.1 C11.1 C12.1 C13.1 E2.1 JP1.3 JP1.19 JP1.21 JP2.3 JP2.4 JP3.1 KEY3.2 R9.2 R11.1 R12.1 R13.1 U1.7 U1.10 U2.5 U3.11 U3.19 U3.28 U3.50 U3.75 U3.100 | length 2045.5
  Top Layer w10: v1(1890,1935) C10.1@1922.47,1902.47 ; C10.1@1922.47,1902.47 1947.88,1877.06 1953.87,1877.06 U3.100@1997.08,1833.85 ; U3.19@2247.63,1495.59 2247.63,1495.83 2340,1588.2 v1(2340,1595) ; R9.2@2381.13,1270 v1(2420,1270) ; U3.75@2418.86,2167.92 2418.97,2167.92 2449.12,2198.08 2449.12,2222.29 2431.46,2239.95 2431.46,2256.46 C9.1@2447.47,2272.53 C9.1@2447.47,2272.53 2474.95,2300 2475,2300 v1(2485,2310) ; U3.28@2446.7,1439.91 2495,1391.61 2495,1370.13 2512.53,1352.61 C11.1@2512.53,1352.53 2536.32,1328.74 2544.6,1328.74 v1(2547.28,1326.06) ; JP1.21@2554.86,2449.86 JP1.21@2565,2460 ; JP1.19@2659.46,2460 JP1.19@2665,2460 ; U3.50@2752.93,1746.14 2753.42,1746.14 2784.56,1715 2785,1715 2786.34,1713.66 2833.56,1713.66 C12.1@2834.95,1715.06 2834.95,1717.5 2860,1742.55 v1(2860,1745) ; C1.2@3129.76,1472.48 C1.2@3132.29,1475 ; C1.2@3132.29,1476.97 C1.2@3132.29,1475 ; E2.1@3135.94,2205 E2.1@3140,2209.06 ; v1(3150,1430) 3132.29,1447.71 C1.2@3132.29,1475 ; R13.1@3462.1,2364.94 R13.1@3463.55,2366.39 ; JP1.3@3463.55,2458.55 JP1.3@3465,2460 ; JP2.4@3465,1065 3465,1065.32 3497.72,1098.04 R12.1@3497.72,1170
  Top Layer w11: JP3.1@1555.63,1890 JP3.1@1590,1890 v1@1685,1890 ; v1(2048.34,1497.32) 2048.34,1497.8 2072.53,1521.99 C13.1@2072.53,1522.47 2090,1539.95 2090,1560.67 U3.11@2136.28,1606.94
  Top Layer w15: KEY3.2@1456.26,1512.5 v1(1535,1512.5) 1535,1465 1555,1445 1583.93,1445 1592.72,1436.21 R11.1@1592.72,1410 ; BOOT0.2@1456.26,1715 v1(1535,1715)
  Top Layer w20: C3.2@3174.57,2265 3174.57,2289.57 3190,2305 v1(3265,2305) v1(3305,2305) 3335.06,2305 ; v1(3350,2320) 3335.06,2305 ; R13.1@3462.1,2364.94 3395,2364.94 3335.06,2305 ; R13.1@3463.55,2366.39 JP1.3@3463.55,2458.55
  other v1: 1695.3,1890 3375,2345
5V: C2.2 D1.2 E1.1 JP1.1 JP2.1 JP2.2 U2.1 U2.3 | length 2092.3
  Top Layer w15: U2.1@3081.17,2019.67 U2.1@3081.38,2019.88
  Top Layer w20: JP2.1@3565,965 JP2.2@3565,1065
  Bottom Layer w20: JP2.2@3565,1065 3560,1070 3560,1125 3545,1140 3400,1140 3265,1275 3265,1445 3072.99,1637.01 v1(3072.99,1722.68) 3072.99,1842.99 3230,2000 3278.28,2000 3290,2011.72 3290,2210 3370,2290 3500,2290 3565,2355 JP1.1@3565,2460
BOOT0: BOOT0.1 R14.2 U3.94 | length 783.8
  Top Layer w11: R14.2@1592.71,1615 1592.71,1616.97 1613.74,1637.99 BOOT0.1@1613.74,1715 v1@1690,1715 ; U3.94@2080.6,1917.37 2145,1852.97 v1(2145,1851.48)
  Bottom Layer w11: v1(1695.3,1715) 1696.09,1715 1832.58,1851.48 v1(2145,1851.48)
DN1: U1.1 USB1.A7 USB1.B7 | length 207.4
  Top Layer w5.59: USB1.A7@3386.2,1535.63 3386.99,1534.84 3385.66,1533.51 3358.79,1533.51 3350,1524.72 3350,1505.28 3358.79,1496.49 USB1.B7@3386.63,1496.49
  Top Layer w6.16: U1.1@3278.3,1530.79 3322.41,1530.79 3326.46,1534.84 USB1.A7@3381.99,1534.84
DN2: R6.1 USB2.A7 USB2.B7 | length 162
  Top Layer w5.59: R6.1@3312.56,2050 3315.89,2053.33 3315.89,2063.43 3320.91,2068.46 3330.34,2068.46 3331.73,2069.84 USB2.A7@3386.99,2069.84 ; 3359.24,2068.41 3350.45,2059.63 3350.45,2040.18 3359.24,2031.39 3387.09,2031.39 USB2.B7@3388.01,2030.47
DP1: U1.2 USB1.A6 USB1.B6 | length 208.6
  Top Layer w5.59: USB1.B6@3383.88,1551.42 USB1.B6@3386.99,1554.53 ; USB1.B6@3388.37,1553.51 3416.21,1553.51 3425,1544.72 3425,1525.28 3416.21,1516.49 USB1.A6@3389.89,1516.49
  Top Layer w6.16: U1.2@3278.3,1550.47 3320.47,1550.47 3325,1555 3381.52,1555 USB1.B6@3381.99,1554.53
DP2: R4.1 USB2.A6 USB2.B6 | length 187.1
  Top Layer w5.59: R4.1@3312.56,2095 3317.64,2089.92 3317.64,2083.32 3320.91,2080.05 3325.54,2080.05 3326.93,2081.43 3359.82,2081.43 3364.81,2086.42 3383.88,2086.42 USB2.B6@3386.99,2089.53 ; USB2.A6@3386.99,2050.16 USB2.A6@3387.15,2050 ; USB2.B6@3388.37,2088.51 3416.21,2088.51 3425,2079.72 3425,2060.28 3416.21,2051.49 USB2.A6@3389.89,2051.49
GND: C1.1 C2.1 C3.1 C4.1 C5.1 C6.1 C7.1 C8.1 C9.2 C10.2 C11.2 C12.2 C13.2 C14.1 C15.1 C16.1 E1.2 E2.2 JP1.2 JP1.4 JP1.6 JP1.22 JP1.24 JP2.5 JP3.2 KEY1.2 LED2.2 R2.1 R3.1 R5.1 R7.1 R14.1 R15.1 U1.3 U2.2 U3.10 U3.20 U3.27 U3.74 U3.99 USB1.1 USB1.2 USB1.3 USB1.4 USB1.A1B12 USB1.B1A12 USB2.1 USB2.2 USB2.3 USB2.4 USB2.A1B12 USB2.B1A12 Y2.2 Y2.4 | length 2338.5
  Top Layer w10: JP1.24@2465,2560 JP1.24@2475,2560
  Top Layer w11: v1(1915,1960) 1915.05,1960 C10.2@1947.53,1927.52 1965,1910.05 1965,1893.77 U3.99@2011,1847.77 ; v1(2020,1525) 2022.47,1525 2045,1547.53 C13.2@2047.48,1547.53 2075.16,1575.21 2076.71,1575.21 U3.10@2122.36,1620.86 ; U3.20@2261.55,1481.67 2347.06,1567.18 v1(2369.1,1567.18) ; U3.27@2432.78,1425.99 2470,1388.77 2470,1344.95 C11.2@2487.47,1327.48 2487.47,1326.67 2517.28,1296.87 v1(2517.28,1296.06) ; U3.74@2432.78,2154 2471.13,2192.35 2471.13,2242.72 2472.52,2244.11 C9.2@2472.52,2247.47 ; C9.2@2472.52,2247.47 v1(2510,2285) ; C14.1@2827.53,1657.47 C12.2@2860,1690 ; C12.2@2860,1690 v1(2886.91,1716.92) ; U2.2@3118.78,2019.88 U2.2@3119.01,2019.66 ; C2.1@3119.01,1959.1 C2.1@3119.23,1958.88 ; C1.1@3167.72,1475 3170.09,1472.63 3170.09,1454.91 v1(3195,1430)
  Top Layer w15: C8.1@2290.16,1270 2290.39,1270 2290.76,1270.37 2290.76,1303.72 v1@2295.58,1308.54 ; C2.1@3119.01,1959.1 U2.2@3119.01,2019.66
  Top Layer w20: v1@1811.09,1513.59 1869.27,1455.41 1871.18,1455.41 1873.18,1453.41 1873.59,1453.41 1912.17,1414.83 1912.17,1406.14 1914.01,1404.29 1914.17,1404.29 1914.17,1396 1886.08,1367.92 1886.08,1351.35 2005.43,1232 2022,1232 2154.39,1364.39 2154.39,1390.61 2135.78,1409.22 2135.78,1425.78 2150,1440 ; v1(1815.26,1517.77) 1815.26,1518.85 1806.24,1527.87 1806.24,1543.35 1834.08,1571.19 1834.08,1572.05 ; 1834.3,1572.05 1863.63,1601.38 1868.35,1601.38 1869.11,1602.15 1870.88,1602.15 v1(1885.26,1587.76) ; 1880.78,1602.15 1887.85,1602.15 C4.1@1902.47,1587.53 1920.26,1587.53 1936.08,1603.35 v1(1937.16,1603.35) ; Y2.4@2001.22,1405.64 1999.82,1407.04 1999.82,1426.3 2001.22,1427.69 2001.22,1431.95 C6.1@2029.64,1460.37 C7.1@1992.53,1497.47 2020,1524.94 v1(2020,1525) ; Y2.2@2015.57,1302.11 2019.51,1302.11 2054.65,1266.97 v1(2055.73,1266.97) ; C5.1@2113.67,1376.34 2113.67,1370.7 2136.03,1348.35 v1(2136.03,1347.26) ; USB1.B1A12@3381.99,1650.98 3387.7,1650.98 3389.51,1652.79 3389.51,1686.14 3398.46,1695.08 USB1.2@3404.63,1695.08 ; USB2.A1B12@3386.99,1934.01 3392.7,1934.01 3394.51,1932.2 3394.51,1898.87 3403.46,1889.92 USB2.1@3409.63,1889.92 ; USB2.B1A12@3386.99,2185.98 3392.7,2185.98 3394.51,2187.79 3394.51,2221.14 3403.46,2230.08 USB2.2@3409.63,2230.08
  other v1: 3595,1240 1988.94,1250.41 1957.81,1280.54 2097.45,1308.69 2295,1310 1923.17,1312.67 1884.84,1359.63 2143.85,1399.92 1912.93,1404.29 1870.1,1455.41 1840.27,1483.75 1485,1810 1520,1810 1560,1810 3255,1895 2980,1985 1695,1990 1510,2270 1550,2270 1590,2270 3590,2305
NetLED1_1: LED1.1 R13.2 | length 92.6
  Top Layer w15: R13.2@3497.53,2364.94 3526.21,2364.94 3535,2356.15 3535,2306.85 LED1.1@3533.46,2305.31
NetLED2_1: LED2.1 R12.2 | length 65.3
  Top Layer w11: LED2.1@3461.54,1235 3461.91,1234.62 3461.91,1170.38 R12.2@3462.29,1170
NetR2_2: R2.2 USB1.A5 | length 112.3
  Top Layer w6.16: R2.2@3270.4,1475.4 R2.2@3270.79,1475.79 ; R2.2@3271.19,1476.19 R2.2@3270.79,1475.79 ; USB1.A5@3381.99,1475.79 R2.2@3270.79,1475.79
NetR3_2: R3.2 USB1.B5 | length 142.2
  Top Layer w6.16: R3.2@3270.4,1665 3270.4,1663.03 3339.52,1593.9 USB1.B5@3381.99,1593.9
NetR5_2: R5.2 USB2.A5 | length 76.8
  Top Layer w6.16: R5.2@3312.56,2005 3340,2005 3345.79,2010.79 USB2.A5@3386.99,2010.79
NetR7_2: R7.2 USB2.B5 | length 79
  Top Layer w6.16: R7.2@3312.56,2140 3335,2140 3346.1,2128.9 USB2.B5@3386.99,2128.9
NRST: C16.2 KEY1.1 R11.2 U3.14 | length 1294.2
  Top Layer w11: C16.2@1510.43,1410 R11.2@1557.29,1410 1557.29,1374.72 1613.74,1318.27 KEY1.1@1613.74,1310 1613.74,1258.74 v1(1575,1220) ; U3.14@2178.03,1565.19 2178.03,1565.41 2250,1637.37 v1(2250,1640)
  Bottom Layer w11: v1(1575,1220) 1685,1220 1970,1505 1970,1530 2140,1700 2190,1700 v1(2250,1640)
PA0: JP2.31 U3.23 | length 610.9
  Top Layer w11: JP2.31@2065,965 2020,1010 2020,1127.28 2216.9,1324.18 2216.9,1353.5 U3.23@2303.31,1439.91
PA1: JP2.32 U3.24 | length 465.5
  Top Layer w11: JP2.32@2065,1065 2065,1149.6 2233.17,1317.77 2233.17,1341.94 U3.24@2317.23,1425.99
PA2: JP2.29 U3.25 | length 557.3
  Top Layer w11: JP2.29@2165,965 2115,1015 2115,1175.11 2250.81,1310.92 2250.81,1331.74 U3.25@2331.15,1412.07
PA3: JP2.30 U3.26 | length 581.7
  Top Layer w11: JP2.30@2165,1065 2169.21,1069.21 2169.21,1106.55 2256.81,1194.16 2433.73,1194.16 2450,1210.42 2450,1380.71 2418.86,1411.85 U3.26@2418.86,1412.07
PA4: JP2.27 U3.29 | length 815.3
  Top Layer w10: JP2.27@2265,965 2215,1015 2215,1116.8 2275.53,1177.33 2447.37,1177.33 2535,1264.96 ; U3.29@2460.62,1453.83 2509.23,1405.22 2510.14,1405.22 2584.71,1330.65 2584.71,1314.71 2535,1265
PA5: JP2.28 U3.30 | length 687.5
  Top Layer w10: JP2.28@2265,1065 2265,1123.63 2303.03,1161.66 2456.61,1161.66 2604.61,1309.66 2604.61,1338.13 2475,1467.75 U3.30@2474.54,1467.75
PA6: JP2.25 U3.31 | length 779.2
  Top Layer w10: JP2.25@2365,965 2320,1010 2320,1107.31 2358.11,1145.42 2466.4,1145.42 2622.12,1301.14 2622.12,1348.01 2539.19,1430.94 U3.31@2488.46,1481.67
PA7: JP2.26 U3.32 | length 647.3
  Top Layer w10: JP2.26@2365,1065 2370.38,1070.38 2370.38,1105.38 2393.88,1128.88 2472.07,1128.88 2640,1296.82 2640,1357.97 U3.32@2502.38,1495.59